# Allegro board nu_2000_main_210405_gerber_el.brd (continued)
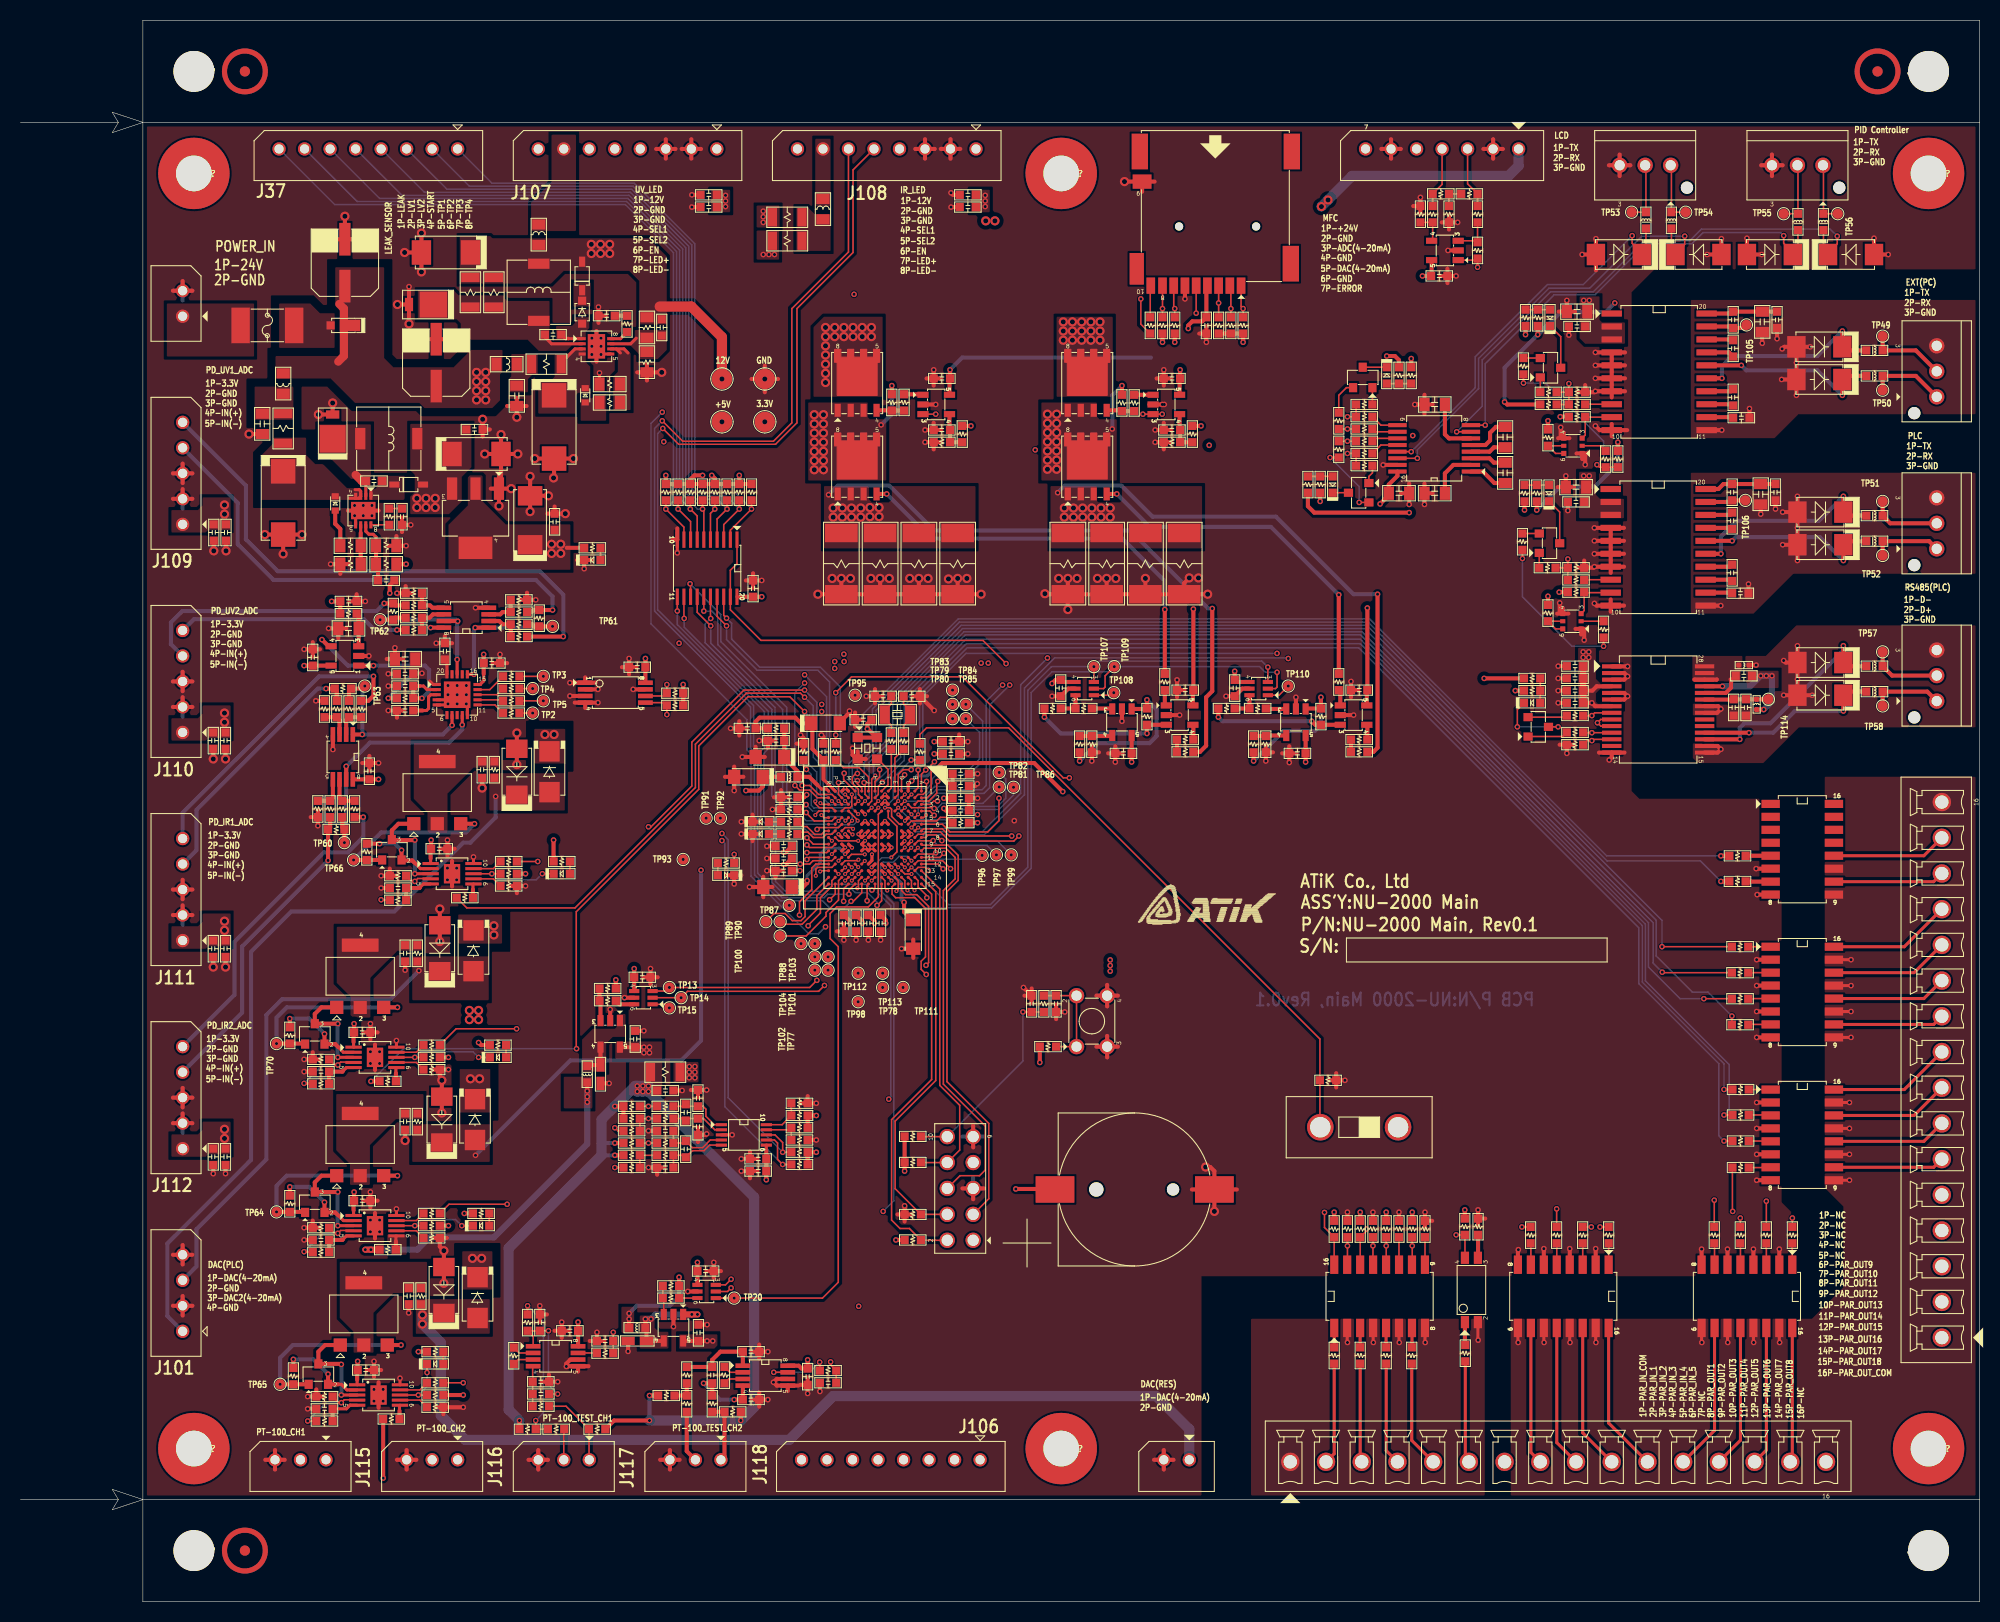
[diagram p0: board, top side]
## Routing (per net, layer and track width the routed paths; a pad name or vN(x,y) marks a point on that pad's centre or on a via; arc(x,y) is an arc through that point) (continued)
  L4-INT2 w0.1: v1(68.75,75.3) 69.75,74.3 70.63,74.3 73.08,76.75 79.15,76.75 80.45,78.05 83.08,78.05 83.2,78.17 83.72,78.17 v3(84.08,77.83)
  BOTTOM w0.15: v1(74.7,44.05) 69.35,49.4 69.35,74.7 v1(68.75,75.3)
RTD_SDA: length 55.5
  TOP w0.15: U1.J4 v3(83.42,77.83) ; U44.7 73.9,45.25 74.2,44.95 74.2,43.35 v1(74.7,42.85) R156.1
  L4-INT2 w0.1: v1(68.75,74.6) 69.25,74.1 70.75,74.1 73.2,76.55 79.29,76.55 80.57,77.83 v3(83.42,77.83)
  BOTTOM w0.15: v1(68.75,74.6) 69.03,74.33 69.03,48.52 v1(74.7,42.85)
RX1: length 20
  TOP w0.4: 165.25,119.92 v1(166.75,119.92) ; v1(178.55,124.55) D84.2 178.9,122.65 L9.1
  BOTTOM w0.4: v1(166.75,119.92) 166.75,121.1 167.75,122.1 176.1,122.1 v1(178.55,124.55)
RX2: length 20.8
  TOP w0.4: L11.1 179,106.45 D86.2 v1(178.65,108.35) ; 165.15,102.72 v1(166.65,102.72)
  BOTTOM w0.4: v1(166.65,102.72) 166.65,104.4 168.2,105.95 176.25,105.95 v1(178.65,108.35)
RX3: length 38.5
  TOP w0.15: v1(157.95,133.9) 157.95,133.15 158.9,132.2 D88.2 159.3,132.45 L12.1 ; U19.13 v1(136.3,112.72)
  BOTTOM w0.15: v1(136.3,112.72) 136.3,112.73 142.57,118.99 142.57,122.02 149.65,129.1 153.15,129.1 v1(157.95,133.9)
RX4: length 47
  TOP w0.15: U19.8 v1(143.55,115.33) ; v1(172.8,133.9) 172.8,133.15 173.7,132.25 D90.2 174.2,132.55 L15.1
  BOTTOM w0.15: v1(143.55,115.33) 143.55,121.35 150.3,128.1 154.3,128.1 159.3,133.1 163.8,133.1 164.9,134.2 172.5,134.2 v1(172.8,133.9)
SD_CLK: length 80.6
  TOP w0.15: J33.5 v1(115.22,126.3) ; U1.A12 89.95,72.3 v1(90.42,71.83)
  L3-INT1 w0.1: v1(90.42,71.83) 91.05,72.45 92,72.45 94.85,75.3 94.85,90.85 98.2,94.2 98.2,124.5 101.05,127.35 108.65,127.35 110.3,125.7 114.62,125.7 v1(115.22,126.3)
SD_CMD: length 84.5
  TOP w0.15: R15.1 v1(117.42,127.3) J33.3 ; U1.D12 v3(86.67,71.97)
  L3-INT1 w0.1: v3(86.67,71.97) 86.28,72.38 86.28,75.47 87.35,76.55 88.05,76.55 88.38,76.88 88.38,78.22 88.85,78.7 88.85,79.35 89.45,79.95 90.85,79.95 91.9,81 91.9,90.4 97.74,96.24 97.74,124.76 100.72,127.75 108.9,127.75 110.42,126.22 114.1,126.22 115.17,127.3 v1(117.42,127.3)
SD_D0: length 83.9
  TOP w0.15: U1.G14 84.72,70.67 84.72,69.92 v3(84.95,69.7) ; R16.1 v1(113.12,126.75) 113.03,126.85 J33.7
  L3-INT1 w0.1: v1(113.12,126.75) 111.47,128.4 100.36,128.4 97.08,125.12 97.08,96.54 85.33,84.79 85.33,76.62 84.12,75.42 84.12,70.83 84.95,70 v3(84.95,69.7)
SD_D1: length 80.6
  TOP w0.15: R17.1 v1(111.92,126.75) J33.8 ; U1.F14 v3(85.38,70.67)
  L3-INT1 w0.1: v3(85.38,70.67) 84.65,70.67 84.35,70.97 84.35,75.35 85.55,76.55 85.55,84.7 97.3,96.45 97.3,125.03 100.42,128.15 110.53,128.15 v1(111.92,126.75)
SD_D2: length 89
  TOP w0.15: R13.1 v1(119.83,126.75) 119.62,126.95 J33.1 ; v1(88.83,69) 88.83,69.2 87.97,70.05 87.97,70.67 U1.B14
  L3-INT1 w0.1: v1(119.83,126.75) 119.4,126.33 115.97,126.33 115.15,125.5 110.15,125.5 108.5,127.15 101.15,127.15 98.45,124.45 98.45,93.15 95.25,89.95 95.25,75.05 89.2,69 v1(88.83,69)
SD_D3: length 85.3
  TOP w0.15: v1(88.97,71.67) 88.67,71.97 87.97,71.97 U1.B13 ; R14.1 v1(118.62,126.75) 118.62,128.9 J33.2
  L3-INT1 w0.1: v1(88.97,71.67) 90,72.7 91.8,72.7 94.6,75.5 94.6,90.9 97.95,94.25 97.95,124.61 100.89,127.55 108.75,127.55 110.35,125.95 114.2,125.95 115,126.75 v1(118.62,126.75)
SD_DETECT: length 68.3
  TOP w0.15: v1(109.8,127.7) 109.8,125.22 R24.2 ; v1(86.65,81.05) 86.35,80.75 U1.D1
  L3-INT1 w0.1: v1(109.8,127.7) 109.55,127.95 100.55,127.95 97.5,124.9 97.5,96.33 85.75,84.58 85.75,81.95 v1(86.65,81.05)
SOL_VALVE: length 66.7
  TOP w0.15: v3(87.33,71.33) 86.67,71.33 U1.D13
  L3-INT1 w0.1: J106.1 94.05,15.7 81.15,28.6 81.15,52.65 87.55,59.05 87.55,68.55 87.28,68.83 87.28,71.28 v3(87.33,71.33)
SPI_MISO: length 74.5
  TOP w0.15: U1.C14 87.33,70.67 87.33,70.03 v3(87.62,69.72) ; R270.2 v1(51.25,90.7)
  L3-INT1 w0.1: v3(87.62,69.72) 87.8,69.9 87.8,72.3 88.47,72.97 88.47,75.22 89.1,75.85 89.1,79.25 89.6,79.75 91.05,79.75 92.15,80.85 92.15,90.25 93.9,92 v1(94.15,92)
  L4-INT2 w0.1: v1(51.25,90.7) 53.95,93.4 80.9,93.4 82.3,92 v1(94.15,92)
SPI_MOSI: length 174.8
  TOP w0.15: R269.2 v1(51.25,88.3) ; U12.3 69.1,31.05 v1(69.65,31.6) ; v1(78.05,60.9) 77.35,60.2 v1(63.6,60.2) 63.25,59.85 U9.3 ; U1.C13 v3(87.33,71.97) ; U76.3 v1(105.2,91.65) ; U77.3 v1(122.25,91.6)
  L3-INT1 w0.15: v1(69.65,31.6) 68.72,32.52 68.72,56.15 64.68,60.2 v1(63.6,60.2) 63.23,60.57 63.23,78.6 53.52,88.3 v1(51.25,88.3)
  L4-INT2 w0.1: v3(87.33,71.97) 89.92,69.38 89.92,60.17 86.9,57.15 81.4,57.15 78.05,60.5 v1(78.05,60.9)
  BOTTOM w0.15: v3(87.33,71.97) 90.97,68.33 95.05,68.33 98.72,72 98.72,89.33 101.05,91.65 v1(105.2,91.65) 105.75,92.2 121.65,92.2 v1(122.25,91.6)
SPI_SCK: length 177.7
  TOP w0.15: U76.2 106.15,89.5 106.3,89.65 106.3,90.75 v1(107.2,91.65) ; v1(78.8,60.4) 78.22,59.83 65.38,59.83 v1(64.75,59.2) U9.2 ; v1(123.15,91.1) 123.15,89.65 123,89.5 U77.2 ; U12.2 69.3,30.4 v1(69.65,30.75) ; R271.2 v1(50.2,89.5) ; U1.D14 86.67,70.67 86.67,70 86.92,69.75 v3(86.92,69.72)
  L3-INT1 w0.15: v1(69.65,30.75) 68.4,32 68.4,55.8 65,59.2 v1(64.75,59.2) 63.8,59.2 62.85,60.15 62.85,78.53 53.67,87.7 51,87.7 50.2,88.5 v1(50.2,89.5)
  L4-INT2 w0.1: v3(86.92,69.72) 89.7,66.95 89.7,60.37 86.78,57.45 81.75,57.45 v1(78.8,60.4)
  BOTTOM w0.15: v1(123.15,91.1) 122,91.1 121.45,91.65 v1(107.2,91.65) 106.7,91.15 101.1,91.15 99.05,89.1 99.05,71.88 95.17,68 88.67,68 86.95,69.72 v3(86.92,69.72)
START_IN_MCU: length 31.2
  TOP w0.15: 66.97,98.5 v1(66.97,97.1) ; U1.M5 v3(80.85,76.55)
  BOTTOM w0.15: v1(66.97,97.1) 67.75,97.1 68.35,96.5 68.35,93.8 74.7,87.45 74.7,78.86 77.01,76.55 78.75,76.55 79.15,76.95 80.45,76.95 v3(80.85,76.55)
SYS_JTCK_SWCLK: length 38.9
  TOP w0.15: J34.4 88.26,37.96 R25.2 85.72,40.48 85.72,47.1 89.7,51.08 89.7,69.6 U1.A14
SYS_JTDI: length 33.3
  TOP w0.15: R22.1 88.26,43.04 J34.8 92.05,44.26 92.05,48.65 90.1,50.6 90.1,69.85 U1.A13
SYS_JTDO_SWO: length 41.1
  TOP w0.15: J34.6 92.08,41.75 94,41.75 94.55,42.3 94.55,46.62 90.45,50.73 90.45,69.7 91.6,70.85 91.6,72.95 90.7,73.85 88.55,73.85 U1.A10
SYS_JTMS_SWDIO: length 41.3
  TOP w0.15: J34.2 88.28,35.42 R21.1 87.12,36.58 86.2,36.58 85.38,37.4 85.38,47.25 89.3,51.17 89.3,69.35 U1.A15
SYS_NJTRST: length 42
  TOP w0.15: U1.A9 88.4,74.15 90.9,74.15 91.9,73.15 91.9,70.7 90.8,69.6 90.8,50.98 94.9,46.88 94.9,39.49 J34.3
TEMP_1: length 94.1
  TOP w0.15: U1.A4 89.12,77.5 v1(89.55,77.08)
  L3-INT1 w0.1: v1(89.55,77.08) 89.78,76.85 89.78,76.18 88.7,75.1 88.7,72.9 88.03,72.22 88.03,69.58 87.75,69.3 87.75,58.9 81.38,52.53 81.38,28.7 95.05,15.02 95.05,13.45 94.55,12.95 81.37,12.95 79.62,14.7 77.35,14.7 J106.8
TEMP_2: length 93
  TOP w0.15: v1(89.88,78.47) 89.5,78.47 89.17,78.15 U1.A3
  L3-INT1 w0.1: J106.7 80.2,12.75 94.65,12.75 95.3,13.4 95.3,15.12 81.62,28.8 81.62,52.42 88,58.8 88,69.2 88.25,69.45 88.25,72.1 88.95,72.8 88.95,75 90.03,76.08 90.03,78.33 v1(89.88,78.47)
TEMP_3: length 58.9
  TOP w0.15: U1.K14 82.12,70.67 82.12,70.03 v3(82.03,69.92)
  L3-INT1 w0.1: v3(82.03,69.92) 82.17,69.78 82.17,68.47 80,66.3 80,28.15 81.55,26.6 J106.6
TEMP_4: length 60.5
  TOP w0.15: U1.K13 v3(82.12,71.33)
  L3-INT1 w0.1: J106.5 84.05,24.4 80.2,28.25 80.2,66.15 82.4,68.35 82.4,71.05 v3(82.12,71.33)
TEMP_5: length 63.2
  TOP w0.15: U1.J15 82.97,70.22 v1(82.97,68.7)
  L3-INT1 w0.1: v1(82.97,68.7) 83.08,68.8 84.65,68.8 85.35,68.1 85.35,57.9 80.45,53 80.45,28.35 86.55,22.25 J106.4
TEMP_6: length 64.7
  TOP w0.15: U1.J14 v3(82.78,70.67)
  L3-INT1 w0.1: v3(82.78,70.67) 82.78,69.62 83.4,69 84.85,69 85.58,68.28 85.58,57.8 80.67,52.9 80.67,28.43 89.05,20.05 J106.3
TEMP_7: length 65.5
  TOP w0.15: U1.E13 v3(86.03,71.33)
  L3-INT1 w0.1: v3(86.03,71.33) 86.3,71.05 86.3,69.47 87.3,68.47 87.3,59.15 80.9,52.75 80.9,28.5 91.55,17.85 J106.2
TEMP_IS1: length 66.6
  TOP w0.15: 66.97,104.1 66.97,106.97 v1(66.85,107.1) R36.1
  BOTTOM w0.15: v1(66.85,107.1) 66.35,107.1 64.9,108.55 64.9,132.6 59.65,137.85 37.4,137.85 J37.5
TEMP_IS1_MCU: length 30.6
  TOP w0.15: v1(67.65,95.65) 66.33,96.97 U7.14 ; U1.N5 v3(80.17,76.53)
  BOTTOM w0.15: v3(80.17,76.53) 80.12,76.53 79.8,76.2 76.85,76.2 73.95,79.1 73.95,87.65 67.65,93.95 v1(67.65,95.65)
TEMP_IS2: length 68.3
  TOP w0.15: U7.7 66.33,106.42 v1(65.65,107.1) R35.1
  BOTTOM w0.15: v1(65.65,107.1) 64.6,108.15 64.6,132.48 59.53,137.55 35.2,137.55 J37.6
TEMP_IS2_MCU: length 31.8
  TOP w0.15: v1(65.62,99.78) 65.67,99.72 U7.13 ; U1.P5 79.53,76.53 77.8,76.53 77,77.33 v1(77,77.35)
  BOTTOM w0.15: v1(77,77.35) 75.1,79.25 75.1,87.65 68.65,94.1 68.65,96.75 v1(65.62,99.78)
TEMP_IS3: length 70.3
  TOP w0.15: R34.1 v1(64.45,107.1) 65.67,105.88 U7.8
  BOTTOM w0.15: J37.7 33,137.25 59.4,137.25 64.3,132.35 64.3,107.25 v1(64.45,107.1)
TEMP_IS3_MCU: length 43.1
  TOP w0.15: U7.12 65.03,96.4 v1(65.05,96.38) ; v1(83.45,69.75) 83.6,69.75 83.75,69.9 U1.H15
  BOTTOM w0.15: v1(83.45,69.75) 82.9,70.3 79.15,70.3 78.5,69.65 74.95,69.65 74,70.6 74,75.85 72.85,77 72.85,83.15 73.3,83.6 73.3,87.28 65.05,95.53 v1(65.05,96.38)
TEMP_IS4: length 72.9
  TOP w0.15: U7.9 65.03,105.33 v1(63.25,107.1) R33.1
  BOTTOM w0.15: v1(63.25,107.1) 64,107.85 64,132.23 59.28,136.95 30.8,136.95 J37.8
TEMP_IS4_MCU: length 46.4
  TOP w0.15: U7.11 v1(64.38,97.1) ; v1(83.95,68.25) 84.4,68.7 U1.G15
  BOTTOM w0.15: v1(83.95,68.25) 83.95,68.55 83,69.5 81.8,69.5 81.35,69.95 79.25,69.95 78.6,69.3 74.85,69.3 73.65,70.5 73.65,75.6 72.55,76.7 72.55,83.35 72.91,83.71 72.91,87.24 64.38,95.78 v1(64.38,97.1)
TX1: length 18.6
  TOP w0.4: U74.16 v1(168.65,121.19) ; L8.1 178.9,120.15 D83.2 v1(178.55,118.25)
  BOTTOM w0.4: v1(178.55,118.25) 176.1,120.7 169.13,120.7 v1(168.65,121.19)
TX2: length 18.5
  TOP w0.4: v1(178.65,102.05) D85.2 179,103.95 L10.1 ; U75.16 v1(167.75,103.98)
  BOTTOM w0.4: v1(167.75,103.98) 168.12,104.35 176.35,104.35 v1(178.65,102.05)
TX3: length 44.3
  TOP w0.15: U19.14 v1(136.9,112.08) ; v1(163.1,133.85) 163.1,133.05 162.2,132.15 D87.2 161.8,132.45 L13.1
  BOTTOM w0.15: v1(136.9,112.08) 136.9,112.9 142.9,118.9 142.9,121.85 149.8,128.75 153.8,128.75 158.9,133.85 v1(163.1,133.85)
TX4: length 54.6
  TOP w0.15: v1(178.05,133.85) 178.05,133.1 177.15,132.2 D89.2 176.7,132.5 L14.1 ; U19.7 v1(140.75,114.67)
  BOTTOM w0.15: v1(140.75,114.67) 143.25,117.17 143.25,121.7 149.95,128.4 154.15,128.4 159.15,133.4 163.6,133.4 164.75,134.55 177.35,134.55 v1(178.05,133.85)
UV1_OUT: length 48.6
  TOP w0.4: v1(52.15,97.2) R289.2 50.3,97.2 50.1,97 R274.2
  BOTTOM w0.4: v1(52.15,97.2) 52.15,98.53 50.52,100.15 24.8,100.15 21.3,103.65 21.3,107.7 J109.4
UV1_OUT_ADC: length 16.8
  TOP w0.3: U28.16 v1(44.45,90.9)
  TOP w0.4: R275.1 50.15,95.8 50.35,95.6 R289.1 v1(52.15,95.6) ; U22.1 v1(44.58,95.47)
  BOTTOM w0.4: v1(44.45,90.9) 44.45,95.35 v1(44.58,95.47) 52.02,95.47 v1(52.15,95.6)
UV2_OUT: length 27.6
  TOP w0.4: R279.2 36.75,97.65 R290.2 v1(35.65,97.85)
  BOTTOM w0.4: v1(35.65,97.85) 34.9,97.1 15.88,97.1 14.75,95.97 14.75,93.85 J110.4
UV2_OUT_ADC: length 16.8
  TOP w0.3: U28.18 v1(42.8,92.35)
  TOP w0.4: v1(35.25,96.25) R290.1 36.75,96.45 R277.1 ; v1(42.85,96.1) 42.83,96.12 U22.7
  BOTTOM w0.4: v1(35.25,96.25) 42.7,96.25 v1(42.85,96.1) 42.8,96.05 v1(42.8,92.35)
UV_CUR_ONOFF: length 59
  TOP w0.15: v1(95.9,78.75) 95.9,76.55 94.8,75.45 91.1,75.45 90.35,76.2 U1.A6 ; U61.3 v1(89.7,116.4)
  L3-INT1 w0.1: v1(99.45,112.9) 98.67,112.12 98.67,93.08 95.45,89.85 95.45,79.2 v1(95.9,78.75)
  L4-INT2 w0.1: v1(89.7,116.4) 92.85,113.25 99.1,113.25 v1(99.45,112.9)
UV_LED-:
  vias: v2(78.9,124.9) v2(78.9,124) v2(78.9,123.1) v2(78.9,122.2) v2(78.9,121.3) v2(78.9,120.4) v2(78.9,119.5) v2(79.8,124.9) v2(79.8,124) v2(80.7,124.9) v2(80.7,124) v2(81.6,124.9) v2(81.6,124) v2(82.5,124.9) v2(82.5,124) v2(83.4,124.9) v2(83.4,124)
UV_LED_CUR_SEL1: length 104.9
  TOP w0.15: U1.A11 90.1,72.95 v1(90.5,73.35)
  L3-INT1 w0.1: v1(90.5,73.35) 92.15,73.35 94.4,75.6 94.4,91.55 v1(94.85,92) ; J107.4 61.9,141.25 61.9,96.6 v1(64.55,93.95)
  L4-INT2 w0.1: v1(64.55,93.95) 64.8,93.7 81,93.7 82.22,92.47 94.38,92.47 v1(94.85,92)
UV_LED_CUR_SEL2: length 92.6
  TOP w0.15: U1.P15 79.85,69.35 v1(79.3,68.8)
  L3-INT1 w0.1: v1(79.3,68.8) 79.3,68.05 78,66.75 70.55,66.75 65.9,71.4 65.9,91.85 61.7,96.05 61.7,138.95 J107.5
UV_LED_EN: length 94.7
  TOP w0.15: v1(77.2,66.25) 77.2,66.3 78.4,67.5 78.4,69 79.53,70.12 79.53,70.67 U1.P14
  L3-INT1 w0.1: J107.6 61.5,136.65 61.5,95.95 65.7,91.75 65.7,71.3 70.45,66.55 76.9,66.55 v1(77.2,66.25)
VISO: length 6.3
  TOP w0.4: TP114.1 L23.2 C189.1 C191.1 167.88,88.42 U81.23
VREF: length 15.3
  TOP w0.3: U1.P1 78.7,80.6
  TOP w0.4: 78.7,80.6 C7.2 77.62,83.58 77.62,85.98 C25.1 76.5,86.1 75.95,86.65 72.43,86.65 72.05,86.27 C26.2 R12.2
VRTD: length 103.4
  TOP w0.4: R246.2 v1(58.25,44.95) ; R160.2 R158.2 v1(58.25,48.55) ; R347.2 v1(61.65,20.2) ; R232.2 58.17,17.75 v1(61.65,17.75) ; R233.2 v1(48.9,17.75) ; R247.2 v1(58.25,43.75) ; R346.2 v1(70.6,17.75)
  BOTTOM w0.4: v1(61.65,20.2) v1(61.65,17.75) ; v1(58.25,43.75) 56.95,43.75 ; v1(58.25,44.95) 56.95,44.95
  BOTTOM w1: v1(48.9,17.75) 47.85,18.8 47.85,34.65 56.95,43.75 56.95,47.25 v1(58.25,48.55) 60.25,50.55 v1(60.45,50.55) ; v1(61.55,50.55) v1(61,50.55) v1(60.45,50.55) ; v1(60.45,50.55) v1(60.45,50) v1(61,50) v1(61.55,50) 71.9,39.65 71.9,19.05 v1(70.6,17.75) v1(61.65,17.75)
N183989: length 6.2
  TOP w0.15: J47.2 174.2,140.75 L15.2 TP55.1
N184730: length 7.5
  TOP w0.4: J44.2 185.75,122.65 L9.2 TP49.1
N184734: length 7.5
  TOP w0.4: TP50.1 L8.2 185.75,120.15 J44.1
N184820: length 6
  TOP w0.15: TP53.1 L12.2 159.3,140.72 J46.2
N188878: length 7
  TOP w0.4: TP52.1 L10.2 187.05,103.95 J45.1
N188950: length 7
  TOP w0.4: TP51.1 L11.2 183.25,105.7 J45.2
N190845: length 6
  TOP w0.15: TP54.1 L13.2 161.8,140.72 J46.1
N191518: length 6.2
  TOP w0.15: J47.1 176.7,140.75 L14.2 TP56.1
N249459: length 2.6
  TOP w0.15: R45.2 132.78,114.03 U19.11
N249473: length 2.6
  TOP w0.15: R46.2 132.78,114.67 U19.10
N249539: length 2.8
  TOP w0.15: R47.2 133.32,113.38 U19.12
N249553: length 2.8
  TOP w0.15: R48.2 133.32,115.33 U19.9
N249571: length 3.8
  TOP w0.4: C62.2 144.45,109.65 143.32,110.78 142.15,110.78
N249607: length 4.8
  TOP w0.4: C66.2 139.6,110.6 140.43,111.42 U19.2
N249615: length 3.5
  TOP w0.4: U19.3 143.97,112.08 144.4,111.65 C62.1
N249623: length 5.6
  TOP w0.4: U19.6 140,114.03 139.6,114.42 C65.2
N249631: length 3.5
  TOP w0.4: C64.2 144.4,113.15 143.97,112.72 U19.4
N249715: length 4.5
  TOP w0.4: C64.1 144.6,115.15 144.02,114.57 144.02,113.82 143.57,113.38 U19.5
N6733103: length 3.9
  TOP w0.15: Y2.3 84,82.6 85.03,81.58 85.03,80.08 U1.G1
N6733621: length 4.5
  TOP w0.15: R2.1 85.7,82.7 U1.E1
N6733629: length 4.1
  TOP w0.15: C1.1 86.55,88 87.2,87.35 Y1.1 87.2,86.55 86.55,85.9 R2.2
N6733665: length 4.1
  TOP w0.15: R6.2 85.35,85.9 84.7,86.55 Y1.2 84.7,87.35 85.35,88 C4.1
N6733705: length 4.2
  TOP w0.15: R6.1 85.35,79.75 U1.F1
N6737165: length 3.1
  TOP w0.15: 110.78,129 110.72,128.95 R24.1
N6752441: length 1.2
  TOP w0.15: R10.2 D27.1
N6752445: length 1.2
  TOP w0.15: R11.2 D28.1
N6756994: length 8.4
  TOP w0.3: U1.M10 v3(80.83,73.28)
  TOP w0.4: v1(77.1,70.67) 77.1,70.45 76.7,70.05 C6.1
  BOTTOM w0.3: v1(77.1,70.67) 77.1,71.17 78.39,72.46 78.39,73.29 78.95,73.85 80.25,73.85 v3(80.83,73.28)
N6757022: length 5.9
  TOP w0.3: U1.F13 v3(85.38,71.33)
  TOP w0.4: C5.1 87.4,66.8 86.6,67.6 v1(86.6,68.55)
  BOTTOM w0.3: 86.07,70.63 v3(85.38,71.33)
  BOTTOM w0.4: v1(86.6,68.55) 86.35,68.8 86.35,70.35 86.07,70.63
N6757140: length 62.6
  TOP w0.3: U1.C1 87,80.1 v1(87.35,80.45)
  TOP w0.4: v1(102.15,79.4) 99.35,82.2 90.35,82.2 89.75,81.6 v1(89.75,81.55) ; v1(97.55,40.45) 101.34,40.45 BT1.1
  L3-INT1 w0.4: v1(102.15,79.4) 102.05,79.3 102.05,62.75 97.55,58.25 v1(97.55,40.45)
  BOTTOM w0.3: v1(87.35,80.45) 87.85,80.95 88.9,80.95 89.5,81.55 v1(89.75,81.55)
N6887731: length 10.2
  TOP w0.15: R1.1 SW1.1 SW1.2 C3.2 R4.2
N6927609: length 5.3
  TOP w0.15: R3.2 80.65,81.75 82.2,81.75 83.12,80.83 83.12,79.47 U1.J1
N7067961: length 0.6
  TOP w0.3: LS1.1 34.35,108.9
N7068137: length 2.3
  TOP w0.3: 32.25,108.15 33.15,108.15 LS1.3 33.35,108.85 33.2,109 32.8,109
N7077098: length 3.7
  TOP w0.4: D32.1 30.85,105.65 31.35,105.15 R29.1
N7077127: length 3.8
  TOP w0.3: LS1.6 33.35,104.75
  TOP w0.4: R31.1 R29.2 33.35,104.75
N7081708: length 1.8
  TOP w0.15: LS1.8 R32.1
N7082261: length 1.2
  TOP w0.15: R32.2 C43.2
N7082580: length 2.7
  TOP w0.3: LS1.2 C32.2
  TOP w0.8: 32.85,110.45 33.45,109.85 C32.2
N7083375: length 6.2
  TOP w0.3: LS1.7 33.85,104.93 34.15,104.63 34.57,104.63 34.85,104.35 R30.1
  TOP w0.4: C36.1 35.05,101.5 R28.2 R30.1
N7312864: length 7.1
  TOP w0.4: TP57.1 L17.2 183.43,90.78 J48.2
N7312868: length 7.1
  TOP w0.4: J48.1 186.88,89.2 L16.2 TP58.1
N7312906: length 18.4
  TOP w0.4: L16.1 179,89.2 D92.2 v1(178.65,87.3) ; U81.18 v1(169.4,85.17)
  BOTTOM w0.4: v1(169.4,85.17) 171.78,85.17 173.9,87.3 v1(178.65,87.3)
N7312940: length 22.4
  TOP w0.4: U81.17 v1(168.5,84.53) ; L17.1 179,91.7 D93.2 v1(178.65,93.7)
  BOTTOM w0.4: v1(168.5,84.53) 168.5,85.65 168.95,86.1 171.5,86.1 178.65,93.25 v1(178.65,93.7)
N8017448: length 21.9
  TOP w0.3: 39.1,89.75 39.5,89.75 39.85,89.4 U28.2
  TOP w0.4: U26.1 v1(34.6,91.75) ; U26.4 30.2,93.65 v1(29.55,94.3) ; v1(39.35,88.55) R59.2 C120.2 39.1,89.75
  BOTTOM w0.4: v1(29.55,94.3) 32.1,91.75 v1(34.6,91.75) 39.65,91.75 40.05,91.35 40.05,89.25 v1(39.35,88.55)
N8017566: length 3.3
  TOP w0.4: R58.2 33.15,96.65 C118.1 U26.3
N8017750: length 7.5
  TOP w0.3: U28.1 40.45,89.9 40.1,90.25 ; C76.1 41.8,92.15 U28.20
  TOP w0.4: R59.1 v1(36.05,88.55)
  BOTTOM w0.4: v1(39.35,91) 38.5,91 v1(36.05,88.55)
N8018430: length 2.5
  TOP w0.15: U28.12 47.2,88.4 R269.1
N8018478: length 3
  TOP w0.15: R270.1 46,89.4 U28.14
N8018518: length 2.7
  TOP w0.15: U28.13 46.7,88.9 R271.1
N8018574: length 2.8
  TOP w0.15: U28.11 46.5,87.9 R272.1
N8040227: length 1.9
  TOP w0.3: R81.2 128.75,24.93 U42.1
N8040231: length 1.9
  TOP w0.3: R82.2 131.3,24.93 U42.3
N8040235: length 1.9
  TOP w0.3: R83.2 133.83,24.94 U42.5
N8040239: length 1.9
  TOP w0.3: U42.7 136.38,24.95 R84.2
N8040588: length 2.7
  TOP w0.15: 130.03,33.02 130.05,33.05 v1(130.05,34.88) R89.1
N8040594: length 2.7
  TOP w0.15: 132.56,33.02 132.55,33.04 v1(132.55,34.88) R90.1
N8040600: length 2.7
  TOP w0.15: R91.1 135.1,33.03 135.11,33.02
N8040606: length 2.7
  TOP w0.15: 137.64,33.02 137.65,33.03 R92.1
N8072032: length 3.1
  TOP w0.4: U11.4 D34.2 55.65,52.6 L5.1
N8072052: length 46.4
  TOP w0.4: R267.1 v1(58.35,60.95) ; L5.2 v1(55.55,50.05)
  TOP w0.6: v1(33.8,34.5) v1(34.35,34.5) R146.1
  L3-INT1 w0.4: v1(55.55,50.05) 55.55,58.15 v1(58.35,60.95)
  BOTTOM w0.6: v1(55.55,50.05) v1(55.55,49.5) v1(55.55,48.95) 55.55,44.85 46.4,35.7 40.1,35.7 38.9,34.5 v1(34.35,34.5) v1(33.8,34.5)
N8072192: length 47.1
  TOP w0.4: R153.1 v1(35.55,12.1) ; R268.1 v1(64.55,31.8) ; L6.2 v1(59.65,27.7)
  L3-INT1 w0.4: v1(35.55,12.1) 45.85,12.1 59.65,25.9 v1(59.65,27.7)
  BOTTOM w0.4: v1(64.55,31.8) 64.55,29.9 63.65,29 60.4,29 v1(59.65,28.25) v1(59.65,27.7)
N8072652: length 10.6
  TOP w0.4: v1(61.25,27.7) L6.1 61.35,26.75 D36.2 U13.4
  TOP w0.6: U13.1 v1(65.8,28.15) v1(66.35,28.15)
  BOTTOM w0.6: v1(66.35,28.15) v1(65.8,28.15) 62.25,28.15 v1(61.8,27.7) v1(61.25,27.7)
N8135245: length 9.1
  TOP w0.3: U4.2 31.65,37.35 31.15,37.85
  TOP w0.4: v1(29.8,39.15) Q1.2 30.85,38.15 31.15,37.85 ; R141.2 v1(26.4,40.65)
  BOTTOM w0.4: v1(26.4,40.65) 28.3,40.65 v1(29.8,39.15)
N8135341: length 19
  TOP w0.4: Q21.3 v1(36.95,41.75) ; Q1.1 27.85,38.2 R141.1 v1(25.1,38.2)
  BOTTOM w0.4: v1(36.95,41.75) 26.1,41.75 25.1,40.75 v1(25.1,38.2)
N8135453: length 2.9
  TOP w0.15: U4.9 38.8,37.35 R142.2
N8135465: length 10.5
  TOP w0.3: U4.3 v1(31.1,36.85)
  TOP w0.4: Q21.1 29.5,41.75 28.85,41.1 Q1.3 v1(31.1,40.15)
  BOTTOM w0.4: v1(31.1,36.85) v1(31.1,40.15)
N8135511: length 3.8
  TOP w0.3: U4.5 31.95,35.85 31.6,35.5
  TOP w0.4: R18.1 C98.2 31.55,35.45 31.6,35.5
N8135551: length 8.5
  TOP w0.15: 28.65,34.3 v1(27.8,34.3) 27.85,34.25 R18.2 ; U4.4 32.62,36.38 31.38,36.38 v1(31.1,36.1) 30.8,36.1 R143.2
  BOTTOM w0.15: v1(31.1,36.1) 29.6,36.1 v1(27.8,34.3)
N8135657: length 1.4
  TOP w0.3: 36.8,35.3 36.8,35.8 U4.6
  TOP w0.4: R146.2 36.8,35.3
N8135665: length 2.9
  TOP w0.15: R145.2 38.8,36.35 U4.7
N8135777: length 8.9
  TOP w0.3: 31.15,21.3 31.45,21.3 32,20.75 U43.2
  TOP w0.4: R147.2 v1(26.75,23.75) ; 31.15,21.3 Q5.2 v1(30.15,22.3)
  BOTTOM w0.4: v1(30.15,22.3) 28.7,23.75 v1(26.75,23.75)
N8135873: length 19.1
  TOP w0.4: Q22.3 v1(37.3,25.15) ; Q5.1 R147.1 v1(25.45,21.3)
  BOTTOM w0.4: v1(25.45,21.3) 25.45,23.9 26.7,25.15 v1(37.3,25.15)
N8135985: length 2.9
  TOP w0.15: R148.2 39.15,20.75 U43.9
N8135997: length 10.4
  TOP w0.3: U43.3 v1(31.45,20.25)
  TOP w0.4: Q22.1 29.85,25.15 29.2,24.5 Q5.3 31.4,23.3 v1(31.45,23.25)
  BOTTOM w0.4: v1(31.45,20.25) v1(31.45,23.25)
N8136043: length 3.7
  TOP w0.3: C101.2 31.95,18.9 32.3,19.25 U43.5
  TOP w0.4: C101.2 R149.1
N8136083: length 7.7
  TOP w0.15: U43.4 32.97,19.78 31.73,19.78 v1(31.45,19.5) 31.2,19.5 R150.2 ; R149.2 v1(28.15,17.7)
  BOTTOM w0.15: v1(31.45,19.5) 29.95,19.5 v1(28.15,17.7)
N8136179: length 91.1
  BOTTOM w1: J120.1 114.55,16.9 111.3,20.15 79.65,20.15 75.35,15.85 43.6,15.85 41.2,18.25 41.2,25.4 v2(39.4,27.2) v2(39.4,28.1)
N8136193: length 1.4
  TOP w0.3: U43.6 37.15,19.2 37.15,18.7
  TOP w0.4: 37.15,18.7 R153.2
N8136201: length 2.9
  TOP w0.15: U43.7 39.15,19.75 R152.2
N8151003: length 3.7
  TOP w0.15: R164.2 R162.1 75.35,46.25 U44.9
N8151007: length 4
  TOP w0.15: R165.2 R163.1 74.65,46.75 U44.10
N8152151: length 57.1
  TOP w0.15: R334.2 v1(61.55,48.55) R158.1
  L3-INT1 w0.1: J115.1 32,15.95 44.65,15.95 57.7,29 57.7,45.2 61.05,48.55 v1(61.55,48.55)
N8152275: length 2.9
  TOP w0.15: R336.1 R160.1 v1(61.55,47.35) R335.2
N8236598: length 7.9
  TOP w0.3: 38.7,72.35 39.2,71.85 U50.2
  TOP w0.4: 38.7,72.35 38.4,72.65 37.35,72.65 Q7.2 v1(37.35,73.65) ; R217.2 v1(35.2,74.3)
  BOTTOM w0.4: v1(35.2,74.3) 36.7,74.3 v1(37.35,73.65)
N8236700: length 17.5
  TOP w0.4: Q7.1 R217.1 v1(32.65,72.7) ; Q19.3 v1(44.5,76.25)
  BOTTOM w0.4: v1(32.65,72.7) 35.35,75.4 43.65,75.4 v1(44.5,76.25)
N8236832: length 2.9
  TOP w0.15: U50.9 46.35,71.85 R218.2
N8236864: length 10.5
  TOP w0.3: U50.3 v1(38.65,71.35)
  TOP w0.4: Q19.1 37.05,76.25 36.4,75.6 Q7.3 36.4,74.65 v1(38.65,74.65)
  BOTTOM w0.4: v1(38.65,71.35) v1(38.65,74.65)
N8236938: length 3.8
  TOP w0.3: 39.15,70 39.5,70.35 U50.5
  TOP w0.4: R219.1 C105.2 39.1,69.95 39.15,70
N8237042: length 7.7
  TOP w0.15: R219.2 35.4,68.75 v1(35.35,68.8) ; U50.4 40.17,70.88 38.93,70.88 v1(38.65,70.6) 38.35,70.6 R220.2
  BOTTOM w0.15: v1(38.65,70.6) 36.85,68.8 v1(35.35,68.8)
N8237232: length 72.7
  BOTTOM w0.4: v1(46.58,78.92) 46.58,76.88 44.1,74.4 43.4,74.4 36.65,67.65 26.55,67.65 22.6,63.7 22.6,43.3 14.4,35.1 14.4,28 J101.1
N8237252: length 1.4
  TOP w0.3: U50.6 44.35,70.3 44.35,69.8
  TOP w0.4: 44.35,69.8 R223.2
N8237260: length 2.9
  TOP w0.15: R222.2 46.35,70.85 U50.7
N8237578: length 9.1
  TOP w0.3: U53.2 31.65,53.85 31.15,54.35
  TOP w0.4: R225.2 v1(26.4,57.15) ; 31.15,54.35 30.85,54.65 Q9.2 v1(29.8,55.65)
  BOTTOM w0.4: v1(26.4,57.15) 28.3,57.15 v1(29.8,55.65)
N8237714: length 19
  TOP w0.4: Q20.3 v1(36.95,58.25) ; Q9.1 27.85,54.7 R225.1 v1(25.1,54.7)
  BOTTOM w0.4: v1(25.1,54.7) 25.1,57.25 26.1,58.25 v1(36.95,58.25)
N8237834: length 2.9
  TOP w0.15: U53.9 38.8,53.85 R226.2
N8237862: length 10.5
  TOP w0.3: U53.3 v1(31.1,53.35)
  TOP w0.4: Q20.1 29.5,58.25 28.85,57.6 Q9.3 v1(31.1,56.65)
  BOTTOM w0.4: v1(31.1,56.65) v1(31.1,53.35)
N8237936: length 3.8
  TOP w0.3: 31.6,52 31.95,52.35 U53.5
  TOP w0.4: 31.6,52 31.55,51.95 C110.2 R227.1
N8238006: length 8.5
  TOP w0.15: 28.65,50.8 v1(27.8,50.8) 27.85,50.75 R227.2 ; R228.2 30.8,52.6 v1(31.1,52.6) 31.38,52.88 32.62,52.88 U53.4
  BOTTOM w0.15: v1(31.1,52.6) 29.6,52.6 v1(27.8,50.8)
N8238172: length 46.1
  BOTTOM w0.4: J101.3 17.25,32.85 17.25,36.5 24.1,43.35 24.1,57.5 25.65,59.05 36.25,59.05 v1(39.05,61.85)
N8238206: length 1.4
  TOP w0.3: U53.6 36.8,52.3 36.8,51.8
  TOP w0.4: 36.8,51.8 R231.2
N8238214: length 2.9
  TOP w0.15: U53.7 38.8,52.85 R230.2
N8301476: length 3.5
  TOP w0.4: R273.1 R275.2 47.25,95.8 46.92,96.12 U22.2
N8301604: length 3.5
  TOP w0.4: R278.1 R277.2 40.1,96.45 40.42,96.78 U22.6
N8304531: length 3
  TOP w0.4: R282.1 R281.2 31.93,86.42 U55.2
N8304627: length 3.4
  TOP w0.4: R286.1 R285.2 31.27,78.78 U55.6
N8333431: length 40.7
  TOP w0.15: R337.2 v1(61.55,44.95) R246.1
  L3-INT1 w0.1: v1(61.55,44.95) 58.1,41.5 58.1,28.75 43.25,13.9 J116.1
N8333435: length 2.9
  TOP w0.15: R339.1 R247.1 R338.2
N8340411: length 12
  TOP w0.15: U1.E14 86.03,70.67 86.03,69.8 85.88,69.65 v3(85.85,69.65)
  L4-INT2 w0.1: v1(84.5,60.2) 84.05,60.65 84.05,63.38 85.92,65.25 85.92,69.58 v3(85.85,69.65)
N8343262: length 1.2
  TOP w0.15: R255.2 D60.1
N8345385: length 1.2
  TOP w0.15: R256.2 D61.1
N8348745: length 1.2
  TOP w0.15: R257.1 D62.1
N8349244: length 1.2
  TOP w0.15: R259.1 D63.1
N8349652: length 1.2
  TOP w0.15: R261.1 D64.1
N8349896: length 1.2
  TOP w0.15: R263.1 D65.1
N8354920: length 61.7
  TOP w0.15: SW2.2 127.35,46.54 R374.1 127.35,55.15 96.85,85.65 88.8,85.65 88.15,85 R8.1
N8369370: length 1.9
  TOP w0.4: R265.1 58.7,58.55 U9.6
N8369374: length 3.2
  TOP w0.4: U11.3 56.85,58.8 R265.2 R267.2
N8369404: length 1.8
  TOP w0.15: R266.1 U12.6
